# Allegro board WCS038B.brd (continued)
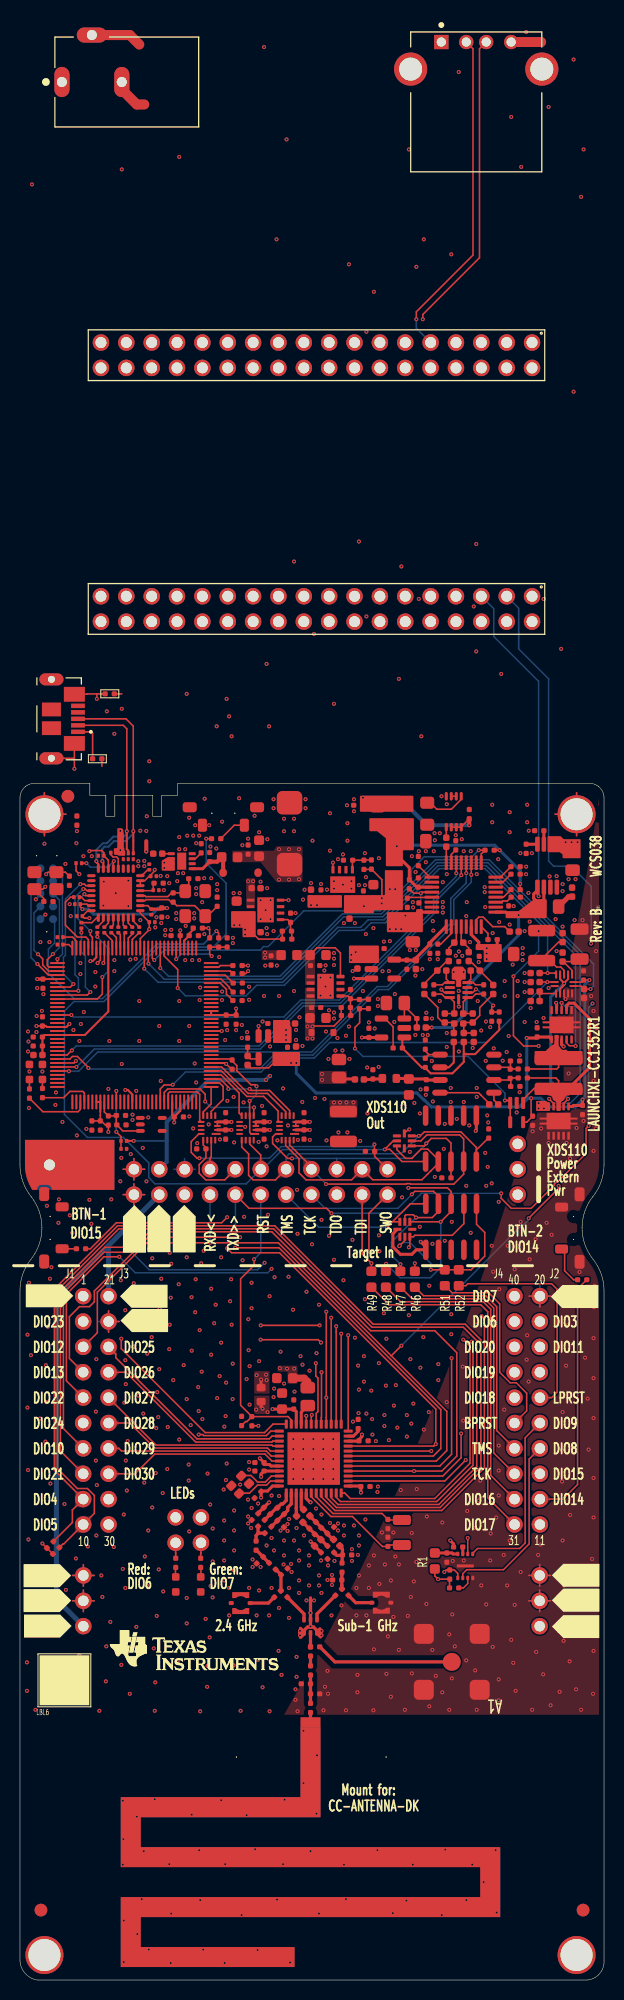
[diagram p0: board, top side]
## Nets (continued)
N3012487: C108.1 U47.1
N3014332: R353.2 U47.7
N3147220: J13.1 R356.2
N3162753: J13.SH1 J13.SH2 J13.SH3 J13.SH4 J13.SH5 J13.SH6(SHIELD__5) R358.2
N294220919: R82.1 U15.4

Pads without a net: CR6 1 2; CR7 1; CR8 1; FIDU1 1; FIDU2 1; FIDU3 1; FIDU4 1; FIDU5 1; FIDU6 1; J1 18 20; J2 8 20; J9 2 4 6 8 10 12 14 16 17 18 19 20 21 22 23 24 25 26 27 28 29 30 31 32 33 34 35 36; J10 1 2 4 6 7 8 9 10 11 12 13 14 15 16 17 18 19 20 21 22 23 24 25 26 27 28 29 30 31 32 33 34 35 36; J13 4; MH1 1; MH2 1; P5 7; P7 7; P8 7; U5 1 2 5 6 11 13 14 15 18 19 20 21 22 27 29 30 31 32 41 42 43 44 45 46 49 50 53 54 56 57 65 67 71 72 75 93 94 102 107 108 109 111 112 116 117 118 119 125 126 127 128; U6 2 4 5; U7 7; U8 14; U9 8; U10 14; U15 3 9 10; U33 5 10; U37 2 8; U42 7; U43 4; U46 7; U47 6

## Via types
v1: diameter 0.4, hole 0.2, TOP to BOTTOM, 1256 vias
v2: diameter 0.5, hole 0.201, TOP to BOTTOM, 25 vias

## Routing (per net, layer and track width the routed paths; a pad name or vN(x,y) marks a point on that pad's centre or on a via; arc(x,y) is an arc through that point)
5V0: length 27.3
  TOP w0.15: U42.8 v1(31.35,111.85) ; U44.3 v1(23.9,95.5) ; U7.8 v1(26.9,108.1)
  TOP w0.2: R92.2 v1(11.4,84)
  TOP w0.3: U43.3 v1(33.45,100.25) ; C168.1 32.1,90.2 33.5,90.2 R354.2
  L3 w0.15: 26.31,94.79 26.3,94.8
  BOTTOM w0.15: 14.7,84 v1(11.4,84)
  BOTTOM w0.4: 24.6,90.1 v1(24.65,90.1) ; 24.6,90.1 25,90.5 v1(25.05,90.5) ; 24.6,90.1 18.92,90.1 14.7,85.88 14.7,81.91 P4.19
  vias: v1(22.85,110) v1(23.35,110) v1(24.55,102.85) v1(24.55,102.35) v1(25.95,113.2) v1(25.95,110.15) v1(26.65,95.1) v1(26.65,94.6) v1(26.65,94.1) v1(26.95,113.2) v1(26.95,110.15) v1(27.95,113.2) v1(27.95,110.2) v1(29.15,107.6) v1(29.75,107.6) v1(30.25,90.7) v1(30.25,90.1) v1(33.18,102.63) v1(33.15,102.1) v1(33.63,102.9)
5V0_BP: length 53.7
  BOTTOM w0.5: J1.2 8.87,73.54 ; 8.87,73.54 3.65,68.32 3.65,38.12 P2.1 ; 8.87,73.54 P4.20
GND: length 206
  TOP w0.15: MH4.1 55.75,118.85 ; MH4.1 53.6,116.7 ; MH4.1 55.75,114.55 ; MH5.1 4.05,81.6 ; MH5.1 3.83,80.72 ; MH5.1 3.45,82.74 ; MH5.1 2.07,80.72 ; MH5.1 4.09,81.1 ; MH5.1 2.45,82.74 ; MH5.1 2.95,80.5 ; MH5.1 2.95,82.7 ; MH5.1 4.09,82.1 ; MH5.1 2.45,80.46 ; MH5.1 2.07,82.48 ; MH5.1 1.85,81.6 ; MH5.1 1.81,82.1 ; MH5.1 3.83,82.48 ; MH5.1 3.45,80.46 ; MH5.1 1.81,81.1 ; P4.21 11.41,82.24 ; P4.21 10.34,81.16 ; P4.21 12.49,81.16 ; P4.21 11.41,80.08 ; 2.45,114.55 MH3.1 ; MH3.1 2.45,118.85 ; MH3.1 4.6,116.7 ; 6.35,39.42 P2.3 ; P2.3 7.43,40.5 ; P2.3 5.27,40.5 ; P2.3 6.35,41.58 ; R358.1 10.2,128.75 ; P4.22 11.41,79.7 ; P4.22 12.49,78.62 ; P4.22 11.41,77.54 ; P4.22 10.34,78.62 ; 6.35,36.88 P2.2 ; P2.2 6.35,39.04 ; P2.2 7.43,37.96 ; P2.2 5.27,37.96 ; R356.1 8.2,121.5 ; P1.3 53.13,40.5 ; P1.3 52.05,39.42 ; P1.3 52.05,41.58 ; P1.3 50.97,40.5 ; J1.4 8.87,67 ; J1.4 8.87,64.84 ; J1.4 9.95,65.92 ; 52.07,67.38 J2.2 ; J2.2 51,68.46 ; J2.2 53.15,68.46 ; v1(18.75,29.35) 18.65,29.35 ; 50.97,37.96 P1.2 ; P1.2 52.05,39.04 ; P1.2 52.05,36.88 ; P1.2 53.13,37.96
  TOP w0.32: 29.75,34.85 FL3.3 ; 29.75,34.85 30.05,35.15 ; 29.75,34.85 29.75,34.99 29.41,35.34 29.16,35.34 v1(29.1,35.4) ; FL3.3 30.15,34.75 ; FL3.3 29.75,34.7 30.1,34.35 ; v1(29.1,35.4) FL3.5 v1(29.1,36.75) 29.1,38.25 ; v1(29.1,35.4) 29.03,35.34 28.79,35.34 28.45,34.99 28.45,34.85 ; 28.1,34.3 28.45,34.65 FL3.1 ; 28.45,34.85 FL3.1 ; 28.45,34.85 28.1,35.2 ; FL3.1 28,34.75
  TOP w0.4: v1(12.65,112.97) 12.65,114
  TOP w1: 12.45,187.75 11.7,187.75 10.2,189.25 J8.2 ; J8.3 11,194.7 11.95,193.75 ; J11.4 52.2,194
  L2 w0.15: P2.2 6.35,39.04 ; P2.2 5.27,37.96 ; P2.2 6.35,36.88 ; P2.2 7.43,37.96 ; P1.2 52.05,39.04 ; P1.2 50.97,37.96 ; P1.2 53.13,37.96 ; P1.2 52.05,36.88 ; 53.6,116.7 MH4.1 ; MH4.1 55.75,114.55 ; MH4.1 55.75,118.85 ; J2.2 53.15,68.46 ; J2.2 51,68.46 ; J2.2 52.07,67.38 ; J2.2 52.07,69.54 ; P4.22 11.41,79.7 ; P4.22 10.34,78.62 ; P4.22 12.49,78.62 ; P4.22 11.41,77.54 ; 2.45,114.55 MH3.1 ; MH3.1 4.6,116.7 ; MH3.1 2.45,118.85 ; MH5.1 4.05,81.6 ; MH5.1 2.95,80.5 ; MH5.1 2.95,82.7 ; MH5.1 1.85,81.6 ; P1.3 52.05,41.58 ; P1.3 50.97,40.5 ; P1.3 52.05,39.42 ; P1.3 53.13,40.5 ; 7.8,65.92 J1.4 ; J1.4 8.87,67 ; J1.4 8.87,64.84 ; J1.4 9.95,65.92 ; P4.21 12.49,81.16 ; P4.21 11.41,80.08 ; P4.21 11.41,82.24 ; P4.21 10.34,81.16 ; 6.35,39.42 P2.3 ; P2.3 5.27,40.5 ; P2.3 6.35,41.58 ; P2.3 7.43,40.5
  BOTTOM w0.15: 5.27,40.5 P2.3 ; P2.3 6.35,41.58 ; P2.3 6.35,39.42 ; P2.3 7.43,40.5 ; MH5.1 4.09,81.1 ; MH5.1 1.81,82.1 ; MH5.1 3.83,82.48 ; MH5.1 3.83,80.72 ; MH5.1 4.05,81.6 ; MH5.1 1.85,81.6 ; MH5.1 2.95,80.5 ; MH5.1 3.45,80.46 ; MH5.1 1.81,81.1 ; MH5.1 2.07,82.48 ; MH5.1 2.45,82.74 ; MH5.1 2.95,82.7 ; MH5.1 2.07,80.72 ; MH5.1 2.45,80.46 ; MH5.1 3.45,82.74 ; MH5.1 4.09,82.1 ; 10.34,81.16 P4.21 ; P4.21 11.41,82.24 ; P4.21 11.41,80.08 ; P4.21 12.49,81.16 ; P8.3 1.6,108.2 1.6,108.18 v1(1.58,108.18) ; 5.27,37.96 P2.2 ; P2.2 7.43,37.96 ; P2.2 6.35,36.88 ; P2.2 6.35,39.04 ; P1.2 53.13,37.96 ; P1.2 50.97,37.96 ; P1.2 52.05,36.88 ; P1.2 52.05,39.04 ; P4.22 11.41,79.7 ; P4.22 12.49,78.62 ; P4.22 10.34,78.62 ; P4.22 11.41,77.54 ; MH3.1 4.6,116.7 ; MH3.1 2.45,114.55 ; MH3.1 2.45,118.85 ; 50.97,40.5 P1.3 ; P1.3 52.05,39.42 ; P1.3 52.05,41.58 ; P1.3 53.13,40.5 ; J1.4 8.87,67 ; J1.4 9.95,65.92 ; J1.4 7.8,65.92 ; J1.4 8.87,64.84 ; 51,68.46 J2.2 ; J2.2 52.07,69.54 ; J2.2 52.07,67.38 ; J2.2 53.15,68.46 ; MH4.1 55.75,118.85 ; MH4.1 53.6,116.7 ; MH4.1 55.75,114.55
  vias: v1(0.8,94.95) v1(0.8,92.95) v1(0.8,68.35) v1(0.75,64.6) v1(0.75,57.3) v1(0.8,51.05) v1(0.7,39.55) v1(0.7,35.45) v1(0.7,31.8) v1(0.7,28.95) v1(0.85,93.95) v1(0.9,87.3) v1(0.9,69.8) v1(0.85,44.1) v1(0.95,90.95) v1(1.2,179.75) v1(1.1,62.55) v1(1.55,27.05) v1(1.67,96.5) v1(1.65,94.9) v1(1.72,99.3) v1(1.8,37.55) v1(2.05,103.9) v1(2,56.2) v1(2.2,97.01) v1(2.25,90.95) v1(2.35,98.69) v1(2.45,113.75) v1(2.45,40.8) v1(2.55,53.9) v1(2.65,68.5) v1(2.6,61.55) v1(2.65,57.85) v1(2.7,77.5) v1(2.8,65.4) v1(2.95,103.9) v1(3,70.2) v1(3.05,49.7) v1(3.15,71.35) v1(3.55,87.6) v1(3.5,35.35) v1(3.6,88.85) v1(3.9,78.15) v1(3.85,75.8) v1(4.25,85.9) v1(4.45,47.65) v1(4.55,111.73) v1(4.6,39.05) v1(4.98,107.7) v1(4.99,76.55) v1(5.09,106.5) v1(5,30.45) v1(5.15,28.25) v1(5.25,74.8) v1(5.35,95.1) v1(5.65,113.8) v1(5.6,42.2) v1(5.7,115.01) v1(5.7,84.55) v1(5.95,94) v1(5.95,32.5) v1(6.05,101.8) v1(6.05,100.7) v1(6.1,95.7) v1(6.35,112.5) v1(6.4,96.9) v1(6.65,85.2) v1(6.8,43.4) v1(6.95,78.1) v1(7.2,112.5) v1(7.15,75.7) v1(7.55,100.9) v1(7.55,99.45) v1(7.65,62.15) v1(7.6,56.9) v1(7.6,52) v1(7.65,44.5) v1(7.7,49.55) v1(7.95,26.95) v1(8.15,40.5) v1(8.25,38.35) v1(8.4,109.95) v1(8.35,107.55) v1(8.65,33.4) v1(8.6,29.9) v1(8.7,127) v1(8.85,89.2) v1(8.95,94) v1(9.05,35.85) v1(9.15,78.15) v1(9.4,43.35) v1(9.45,124.75) v1(9.45,102.1) v1(9.45,101) v1(9.6,108.8) v1(10.05,79.95) v1(10.2,181.25) v1(10.2,127.25) v1(10.2,91.7) v1(10.15,82.3) v1(10.1,70.05) v1(10.15,31.55) v1(10.3,41.15) v1(10.4,46.6) v1(10.45,57.8) v1(10.55,67.05) v1(10.55,62.05) v1(10.55,39.25) v1(10.6,59.65) v1(10.6,52) v1(10.79,53.95) v1(10.7,49) v1(10.85,110.05) v1(10.85,107.5) v1(10.85,68.65) v1(11.05,102.15) v1(11,28.65) v1(11.1,82.68) v1(11.27,86.63) v1(11.27,86.1) v1(11.25,65.1) v1(11.4,69.75) v1(11.35,63.4) v1(11.59,102.23) v1(11.65,89) v1(11.65,35.35) v1(11.85,112) v1(11.85,111.5) v1(11.85,58.5) v1(11.95,98) v1(11.95,94) v1(12.05,115.05) v1(12.05,106.1) v1(12.3,83.3) v1(12.35,56.7) v1(12.45,112.03) v1(12.45,111.5) v1(12.45,68.85) v1(12.45,49.8) v1(12.5,42.4) v1(12.65,115.03) v1(12.67,79.95) v1(12.7,116.5) v1(12.75,62.7) v1(12.7,39.5) v1(12.85,86.35) v1(12.85,45) v1(12.95,122) v1(12.95,120) v1(12.95,73.15) v1(13,66.25) v1(13.19,64.35) v1(13.25,72.25) v1(13.25,47.3) v1(13.4,33.2) v1(13.55,105.37) v1(13.55,29.8) v1(13.5,26.95) v1(13.67,106.39) v1(13.65,55.25) v1(13.6,50.75) v1(13.75,58.85) v1(13.7,36.45) v1(13.85,56.35) v1(13.9,41.1) v1(13.95,95.5) v1(13.95,61.15) v1(14.09,110.52) v1(14,67.2) v1(14.15,105.81) v1(14.1,90) v1(14.15,70.2) v1(14.3,48.75) v1(14.35,38.9) v1(14.41,109.1) v1(14.55,105.11) v1(14.54,104.58) v1(14.75,110.5) v1(14.78,106.4) v1(14.8,55.35) v1(14.75,51.15) v1(14.95,109.8) v1(14.95,63.15) v1(15,72.8) v1(15,65.6) v1(15.15,105.13) v1(15.15,71.7) v1(15.1,68.3) v1(15.35,60.05) v1(15.65,106.8) v1(15.65,106.2) v1(15.75,110) v1(15.8,31.95) v1(15.82,110.8) v1(15.9,69.65) v1(15.95,182.5) v1(15.95,114.41) v1(15.95,113.2) v1(15.95,98) v1(15.95,94) v1(15.95,54.1) v1(16.35,110.8) v1(16.4,61.55) v1(16.55,113.2) v1(16.55,102.1) v1(16.6,105.52) v1(16.7,128.75) v1(16.75,114.55) v1(16.7,72.35) v1(16.7,58.15) v1(16.7,38.25) v1(16.7,35.7) v1(16.9,51.6) v1(16.9,50) v1(16.95,116.35) v1(16.95,95.5) v1(16.96,86.45) v1(16.95,44.9) v1(17.19,68.35) v1(17.2,63) v1(17.1,55.55) v1(17.25,102.1) v1(17.35,114.55) v1(17.35,85.25) v1(17.45,106.8) v1(17.45,106.27) v1(17.55,115.6) v1(17.5,91.75) v1(17.55,66.85) v1(17.65,113.8) v1(17.65,109.3) v1(17.65,108.7) v1(17.65,89.85) v1(17.6,70.15) v1(17.75,83.78) v1(17.85,59.35) v1(17.9,56.95) v1(17.95,114.55) v1(17.95,102.1) v1(18.05,99.35) v1(18,98.1) v1(18,65.05) v1(18.05,26.9) v1(18.15,71.75) v1(18.2,60.9) v1(18.25,107.9) v1(18.27,56.15) v1(18.4,73) v1(18.45,110.3) v1(18.46,104.7) v1(18.5,118.25) v1(18.6,36.15) v1(18.79,50.7) v1(18.8,31.45) v1(18.9,85.65) v1(18.95,115.6) v1(19.07,113.46) v1(19.05,47.6) v1(19,34.3) v1(19.15,110.3) v1(19.15,69.2) v1(19.15,62.6) v1(19.1,39.45) v1(19.3,45.2) v1(19.3,41.9) v1(19.3,38.3) v1(19.45,65.75) v1(19.67,113.27) v1(19.6,67.6) v1(19.7,125.5) v1(19.75,109.7) v1(19.75,109.1) v1(19.75,58.25) v1(19.95,102.4) v1(20.02,84.15) v1(20,60.45) v1(20.15,72.35) v1(20.15,63.8) v1(20.25,115.95) v1(20.25,98.95) v1(20.23,98.1) v1(20.4,49.1) v1(20.47,55.4) v1(20.45,46) v1(20.45,44) v1(20.45,42) v1(20.45,40) v1(20.55,94.1) v1(20.65,59.8) v1(20.6,56.45) v1(20.63,50.05) v1(20.7,128.25) v1(20.75,95.09) v1(20.77,88.01) v1(20.7,51.7) v1(20.95,126.5) v1(20.95,39.25) v1(20.95,36.5) v1(21.05,67.95) v1(21.2,124.5) v1(21.15,70.15) v1(21.2,65.6) v1(21.3,58.15) v1(21.4,108.8) v1(21.33,104.33) v1(21.32,103.8) v1(21.4,88.4) v1(21.31,61.7) v1(21.4,31.5) v1(21.45,83.85) v1(21.45,47) v1(21.45,45) v1(21.45,43) v1(21.45,41) v1(21.65,95.09) v1(21.95,118.3) v1(22,108.8) v1(22.05,49.6) v1(22.1,26.95) v1(22.27,113.6) v1(22.23,95.6) v1(22.22,94.3) v1(22.3,72.05) v1(22.4,87.85) v1(22.45,76.4) v1(22.55,85.4) v1(22.75,94.89) v1(22.7,60.15) v1(22.85,114.25) v1(22.87,66.15) v1(22.9,63.05) v1(22.84,48.09) v1(22.85,46.4) v1(22.85,45.7) v1(22.95,99.43) v1(22.95,98.12) v1(22.95,51.85) v1(22.95,51.1) v1(22.95,39.25) v1(23,61.45) v1(23,57.6) v1(23.2,69.8) v1(23.2,67.25) v1(23.2,47.25) v1(23.15,45.25) v1(23.3,42.1) v1(23.3,41.35) v1(23.5,116.55) v1(23.7,36.5) v1(23.9,83.9) v1(23.85,47.7) v1(23.85,32.05) v1(23.95,114.9) v1(23.95,61.95) v1(23.95,39) v1(24.1,109.95) v1(24.1,108.1) v1(24.1,106.2) v1(24.1,41.35) v1(24.3,95.95) v1(24.25,87.5) v1(24.3,29.3) v1(24.45,193.5) v1(24.45,98.5) v1(24.57,101.55) v1(24.6,107.1) v1(24.7,131.75) v1(24.78,114.2) v1(24.75,109.3) v1(24.7,105.3) v1(24.75,104.7) v1(24.7,83.45) v1(24.7,43.5) v1(24.85,76.6) v1(24.95,125.5) v1(24.95,36.5) v1(25.05,93.45) v1(25,68.45) v1(25,26.9) v1(25.1,108.1) v1(25.1,106.2) v1(25.2,48.5) v1(25.2,44.25) v1(25.2,39.25) v1(25.4,118.2) v1(25.4,117.3) v1(25.4,105) v1(25.4,58.35) v1(25.45,59.2) v1(25.45,43) v1(25.5,70.35) v1(25.7,174.25) v1(25.73,101.55) v1(25.78,84.05) v1(25.9,32.95) v1(25.95,98.5) v1(25.95,48.45) v1(25.95,37.25) v1(26.1,62.9) v1(26.1,45) v1(26.2,30.55) v1(26.35,89.25) v1(26.4,41.6) v1(26.45,116.25) v1(26.45,115) v1(26.45,59.7) v1(26.45,44) v1(26.45,42.5) v1(26.7,184.25) v1(26.8,45.65) v1(26.8,44.95) v1(26.85,85.55) v1(26.9,70.4) v1(26.95,46.15) v1(26.95,39.25) v1(26.95,36.25) v1(27.15,41.65) v1(27.2,40.85) v1(27.35,67.1) v1(27.45,142) v1(27.45,116.25) v1(27.45,115) v1(27.45,99) v1(27.45,44) v1(27.5,58.9) v1(27.6,106.8) v1(27.65,95.1) v1(27.65,94.1) v1(27.6,29.1) v1(27.6,28.05) v1(27.75,79.1) v1(27.8,74.7) v1(27.7,45.25) v1(27.7,32.35) v1(27.7,30.35) v1(27.8,26.9) v1(27.84,84.1) v1(27.95,43) v1(27.95,42) v1(27.95,40) v1(27.95,38.75) v1(28,96.37) v1(28.05,34.95) v1(28.05,34.5) v1(28.1,62.45) v1(28.3,93.5) v1(28.27,87.9) v1(28.3,61.6) v1(28.35,108.15) v1(28.45,44.5) v1(28.5,109.15) v1(28.6,118.2) v1(28.6,117.3) v1(28.7,68.9) v1(28.7,38) v1(28.95,42.5) v1(28.95,41.5) v1(28.95,39.5) v1(29.03,84.1) v1(29,61) v1(29.15,109.8) v1(29.3,114.05) v1(29.25,73.65) v1(29.45,134.75) v1(29.45,38) v1(29.55,88.3) v1(29.65,47.2) v1(29.7,62.75) v1(29.95,67.6) v1(29.95,40.5) v1(29.95,39.5) v1(30.15,109.71) v1(30.1,100.35) v1(30.1,98.55) v1(30.2,76.1) v1(30.2,46.6) v1(30.15,42) v1(30.2,38.75) v1(30.2,34.95) v1(30.2,34.5) v1(30.4,27) v1(30.49,101.06) v1(30.5,88.2) v1(30.55,29.35) v1(30.61,101.57) v1(30.6,99.45) v1(30.65,94.95) v1(30.75,109.15) v1(30.7,84.05) v1(30.8,40.05) v1(30.8,30.95) v1(30.9,92.2) v1(30.85,41.5) v1(30.85,28.65) v1(30.95,97.07) v1(30.95,74.5) v1(31.05,116.8) v1(31.05,113.05) v1(31.05,45.75) v1(31.1,100.35) v1(31.1,98.55) v1(31.2,36.5) v1(31.25,40.55) v1(31.25,39.55) v1(31.45,127.75) v1(31.45,110) v1(31.45,109.25) v1(31.45,102.8) v1(31.45,102.25) v1(31.45,101.6) v1(31.45,96.85) v1(31.45,96.25) v1(31.45,72.1) v1(31.5,41.95) v1(31.6,93.05) v1(31.8,94.3) v1(31.85,112.2) v1(31.9,84.85) v1(31.85,45.7) v1(31.85,45) v1(32.2,37.5) v1(32.3,93.05) v1(32.35,112.68) v1(32.35,109.65) v1(32.4,70.05) v1(32.45,105.8) v1(32.45,45.5) v1(32.45,44.5) v1(32.65,94.53) v1(32.65,27) v1(32.75,117.6) v1(32.8,115.8) v1(32.8,114.05) v1(32.8,84.85) v1(32.95,171.75) v1(32.95,95.45) v1(33,92.2) v1(33.2,110) v1(33.2,109.25) v1(33.3,74.1) v1(33.25,43.13) v1(33.25,41.95) v1(33.32,101) v1(33.35,55.9) v1(33.45,118.2) v1(33.45,117) v1(33.45,45.5) v1(33.55,105.8) v1(33.55,64.3) v1(33.7,39.25) v1(33.7,36.5) v1(33.8,30.55) v1(33.8,28.8) v1(33.87,61.5) v1(33.85,42.55) v1(33.95,144) v1(33.95,109.6) v1(33.95,59.1) v1(33.91,56.75) v1(33.95,44.5) v1(33.95,43.5) v1(33.95,40.5) v1(34.08,84) v1(34.35,99) v1(34.45,62.45) v1(34.45,59.9) v1(34.55,112.8) v1(34.55,109.6) v1(34.55,68.15) v1(34.65,110.4) v1(34.65,104.7) v1(34.6,46.1) v1(34.7,165) v1(34.7,136.5) v1(34.77,91.35) v1(34.8,86.75) v1(34.7,56.7) v1(34.7,36.5) v1(34.95,95.86) v1(34.95,41.5) v1(34.95,39.25) v1(35.19,59) v1(35.27,56.15) v1(35.3,54.6) v1(35.4,105.3) v1(35.4,27) v1(35.45,169) v1(35.45,42.5) v1(35.45,33.1) v1(35.53,95.25) v1(35.65,53.95) v1(35.75,85.4) v1(35.8,48.85) v1(35.85,98.2) v1(35.85,97.5) v1(35.85,49.4) v1(35.95,112.3) v1(35.93,91.4) v1(35.95,74.55) v1(35.95,61.75) v1(36,72.95) v1(36,39.65) v1(36.25,44.8) v1(36.31,100.99) v1(36.45,103.95) v1(36.45,66.75) v1(36.5,56.55) v1(36.5,55.45) v1(36.55,41.6) v1(36.65,59.5) v1(36.7,64.2) v1(36.7,30.65) v1(36.85,34.4) v1(36.95,101) v1(36.95,54.05) v1(37.05,104) v1(37.15,40) v1(37.15,28.35) v1(37.4,44.8) v1(37.4,36.35) v1(37.49,95.91) v1(37.45,57.5) v1(37.55,98.7) v1(37.65,59.55) v1(37.6,42.4) v1(37.8,55.3) v1(37.95,130.25) v1(37.95,41.6) v1(37.95,33.05) v1(38.2,141.5) v1(38.15,49.05) v1(38.27,78.35) v1(38.45,87.8) v1(38.55,27.05) v1(38.75,56.55) v1(38.75,54.4) v1(38.85,36.45) v1(38.95,183.25) v1(38.95,66.55) v1(39.05,103.1) v1(39.05,82.9) v1(39.1,62.15) v1(39.2,55.7) v1(39.15,38.35) v1(39.25,112.5) v1(39.25,44.75) v1(39.25,30.7) v1(39.35,107.9) v1(39.38,107.37) v1(39.4,57.7) v1(39.45,39.9) v1(39.5,87.8) v1(39.62,110.91) v1(39.65,103.1) v1(39.61,100.55) v1(39.6,94.6) v1(39.7,171.5) v1(39.75,49.15) v1(39.7,41.85) v1(39.95,138.25) v1(39.95,113) v1(40.05,86.75) v1(40.05,75.4) v1(40.2,124.5) v1(40.12,89.15) v1(40.11,61.3) v1(40.3,101.19) v1(40.35,94.6) v1(40.4,64.35) v1(40.45,174.25) v1(40.45,55.1) v1(40.65,113) v1(40.65,111.9) v1(40.65,88.61) v1(40.7,96.83) v1(40.75,46.4) v1(40.7,37.65) v1(40.85,94.6) v1(40.95,56.85) v1(41.05,102.19) v1(41,69.5) v1(41,27.4) v1(41.26,96.25) v1(41.25,92) v1(41.3,33.05) v1(41.35,106) v1(41.4,105.05) v1(41.35,87.95) v1(41.32,73.7) v1(41.45,113) v1(41.53,114.8) v1(41.55,114.1) v1(41.55,80.4) v1(41.65,30.45) v1(41.85,102.19) v1(41.9,61.65) v1(41.9,60.05) v1(42.05,114.8) v1(42.05,98) v1(42.22,118.5) v1(42.3,45.8) v1(42.3,28.8) v1(42.35,109.9) v1(42.35,107.91) v1(42.35,107.39) v1(42.35,106.86) v1(42.45,83.2) v1(42.55,85.7) v1(42.55,74) v1(42.75,117.7) v1(42.75,110.7) v1(42.75,94.8) v1(42.75,93.4) v1(42.75,57.85) v1(43,34.6) v1(43,27.05) v1(43.2,172.75) v1(43.15,89.3) v1(43.15,87.9) v1(43.2,66.65) v1(43.2,64.65) v1(43.25,75.9) v1(43.3,36.6) v1(43.25,30.2) v1(43.35,41.95) v1(43.55,33.4) v1(43.65,114.6) v1(43.65,102.54) v1(43.75,86.2) v1(43.95,191) v1(43.96,102.96) v1(43.95,99.01) v1(43.95,97.45) v1(43.95,92.95) v1(44.25,114.2) v1(44.3,102.52) v1(44.35,61.4) v1(44.4,56) v1(44.45,113) v1(44.45,87.9) v1(44.45,42) v1(44.75,107.9) v1(44.7,106.5) v1(44.7,79.5) v1(44.8,46.95) v1(44.7,32) v1(45.07,103.9) v1(45,85.55) v1(45.15,113) v1(45.15,74.8) v1(45.35,93.3) v1(45.45,137.5) v1(45.6,45.25) v1(45.6,31) v1(45.7,143.75) v1(45.7,133) v1(45.75,110.7) v1(45.75,89.3) v1(45.75,88.4) v1(45.7,65.6) v1(45.75,27.05) v1(45.85,98) v1(45.95,101.9) v1(45.95,48) v1(46.2,95.05) v1(46.1,50) v1(46.2,39.5) v1(46.55,109.4) v1(46.55,108.9) v1(46.6,107.4) v1(46.67,95.95) v1(46.65,92.01) v1(46.6,82.8) v1(46.8,86.55) v1(46.7,79.5) v1(46.7,37.6) v1(46.9,85.85) v1(46.85,81.4) v1(47.1,95.39) v1(47.15,44.7) v1(47.1,42) v1(47.3,117.65) v1(47.3,115.9) v1(47.25,79.75) v1(47.25,73.5) v1(47.35,104.8) v1(47.4,70.9) v1(47.35,33.35) v1(47.45,93.26) v1(47.7,46.3) v1(47.9,112.2) v1(47.95,77.9) v1(47.95,53.5) v1(47.95,51) v1(47.95,48.5) v1(47.95,30.1) v1(47.95,28) v1(48,105.9) v1(48,69.15) v1(48.2,130.75) v1(48.35,92.02) v1(48.45,42.55) v1(48.55,100) v1(48.55,98.5) v1(48.5,57.1) v1(48.75,92.9) v1(48.8,39.5) v1(48.85,73.5) v1(48.95,94.5) v1(49.05,116.9) v1(49.05,114.9) v1(49.05,105.65) v1(49.05,44) v1(49.2,186.5) v1(49.2,34.05) v1(49.35,101.65) v1(49.4,31.75) v1(49.45,107.5) v1(49.55,71.15) v1(49.55,37.55) v1(49.65,28.95) v1(49.75,86.85) v1(49.85,100) v1(49.85,98.5) v1(50.05,92.58) v1(50.05,88.87) v1(50.2,181.5) v1(50.12,112.8) v1(50.15,75.9) v1(50.15,40.85) v1(50.35,103.3) v1(50.35,102.7) v1(50.35,102.1) v1(50.55,105) v1(50.55,100.8) v1(50.55,99.9) v1(50.55,98.9) v1(50.55,95.9) v1(50.69,110.7) v1(50.7,195) v1(50.8,117.65) v1(50.8,115.9) v1(50.7,111.45) v1(50.8,64.55) v1(50.75,62.1) v1(50.96,115.05) v1(50.93,108.83) v1(50.95,59.9) v1(51.05,105.95) v1(51.05,72.15) v1(51.15,97.3) v1(51.28,112.8) v1(51.3,27.05) v1(51.35,84.96) v1(51.65,74.15) v1(51.75,95.9) v1(51.7,32.85) v1(51.9,42.55) v1(52.2,85.25) v1(52.15,43.6) v1(52.4,30.6) v1(52.45,138.25) v1(52.45,96.3) v1(52.75,75.8) v1(52.95,187.5) v1(52.95,99.3) v1(52.95,83.8) v1(53.05,110.48) v1(53.15,27.5) v1(53.25,74.6) v1(53.65,106.2) v1(53.75,110.5) v1(53.75,103) v1(54.05,28.85) v1(54.2,133.25) v1(54.3,53.05) v1(54.3,49.9) v1(54.35,109.7) v1(54.35,109) v1(54.35,105.45) v1(54.35,56.85) v1(54.35,44) v1(54.45,33.95) v1(54.5,39.5) v1(54.65,98.2) v1(54.75,83.8) v1(54.7,61.5) v1(54.85,65.55) v1(54.95,110.2) v1(54.95,90.75) v1(55.05,31.9) v1(55.1,82.25) v1(55.1,46.55) v1(55.15,35.5) v1(55.45,192.25) v1(55.45,159) v1(55.55,106.1) v1(55.65,110.2) v1(55.75,85.3) v1(55.7,29.1) v1(56.05,70.87) v1(56.2,178.5) v1(56.2,27.05) v1(56.35,106.1) v1(56.45,183.25) v1(56.45,86) v1(56.6,62.3) v1(56.6,40.1) v1(56.85,58.2) v1(56.85,35.5) v1(56.95,53.1) v1(57.2,98.5) v1(57.3,42.15) v1(57.35,37.15) v1(57.4,28.65) v1(57.45,97) v1(57.45,90) v1(57.45,83) v1(57.45,64.25) v1(57.45,60.25) v1(57.45,56.25) v1(57.45,50.25) v1(57.45,46.3) v1(57.45,32.95) v1(57.55,69.5) v1(57.5,67.35) v1(57.7,103) v1(57.75,95.3) v1(57.7,85.25) v2(27.38,54.15) v2(27.38,53.15) v2(27.38,52.15) v2(27.38,51.15) v2(27.38,50.15) v2(28.38,54.15) v2(28.38,53.15) v2(28.38,52.15) v2(28.38,51.15) v2(28.38,50.15) v2(29.38,54.15) v2(29.38,53.15) v2(29.38,52.15) v2(29.38,51.15) v2(29.38,50.15) v2(30.38,54.15) v2(30.38,53.15) v2(30.38,52.15) v2(30.38,51.15) v2(30.38,50.15) v2(31.38,54.15) v2(31.38,53.15) v2(31.38,52.15) v2(31.38,51.15) v2(31.38,50.15)
